# Altium PCB PCB1.PcbDoc (part 1 of 2)
Units mil, origin at the board's own origin, x right, y up, seen from the top; angles counter-clockwise.
Board outline 5020 x 3185 mil, 4 copper layers (Top Layer, GND, VCC, Bottom Layer), stack 23.756 mil thick; 166 components, 117 nets, 555 pads, 504 vias.
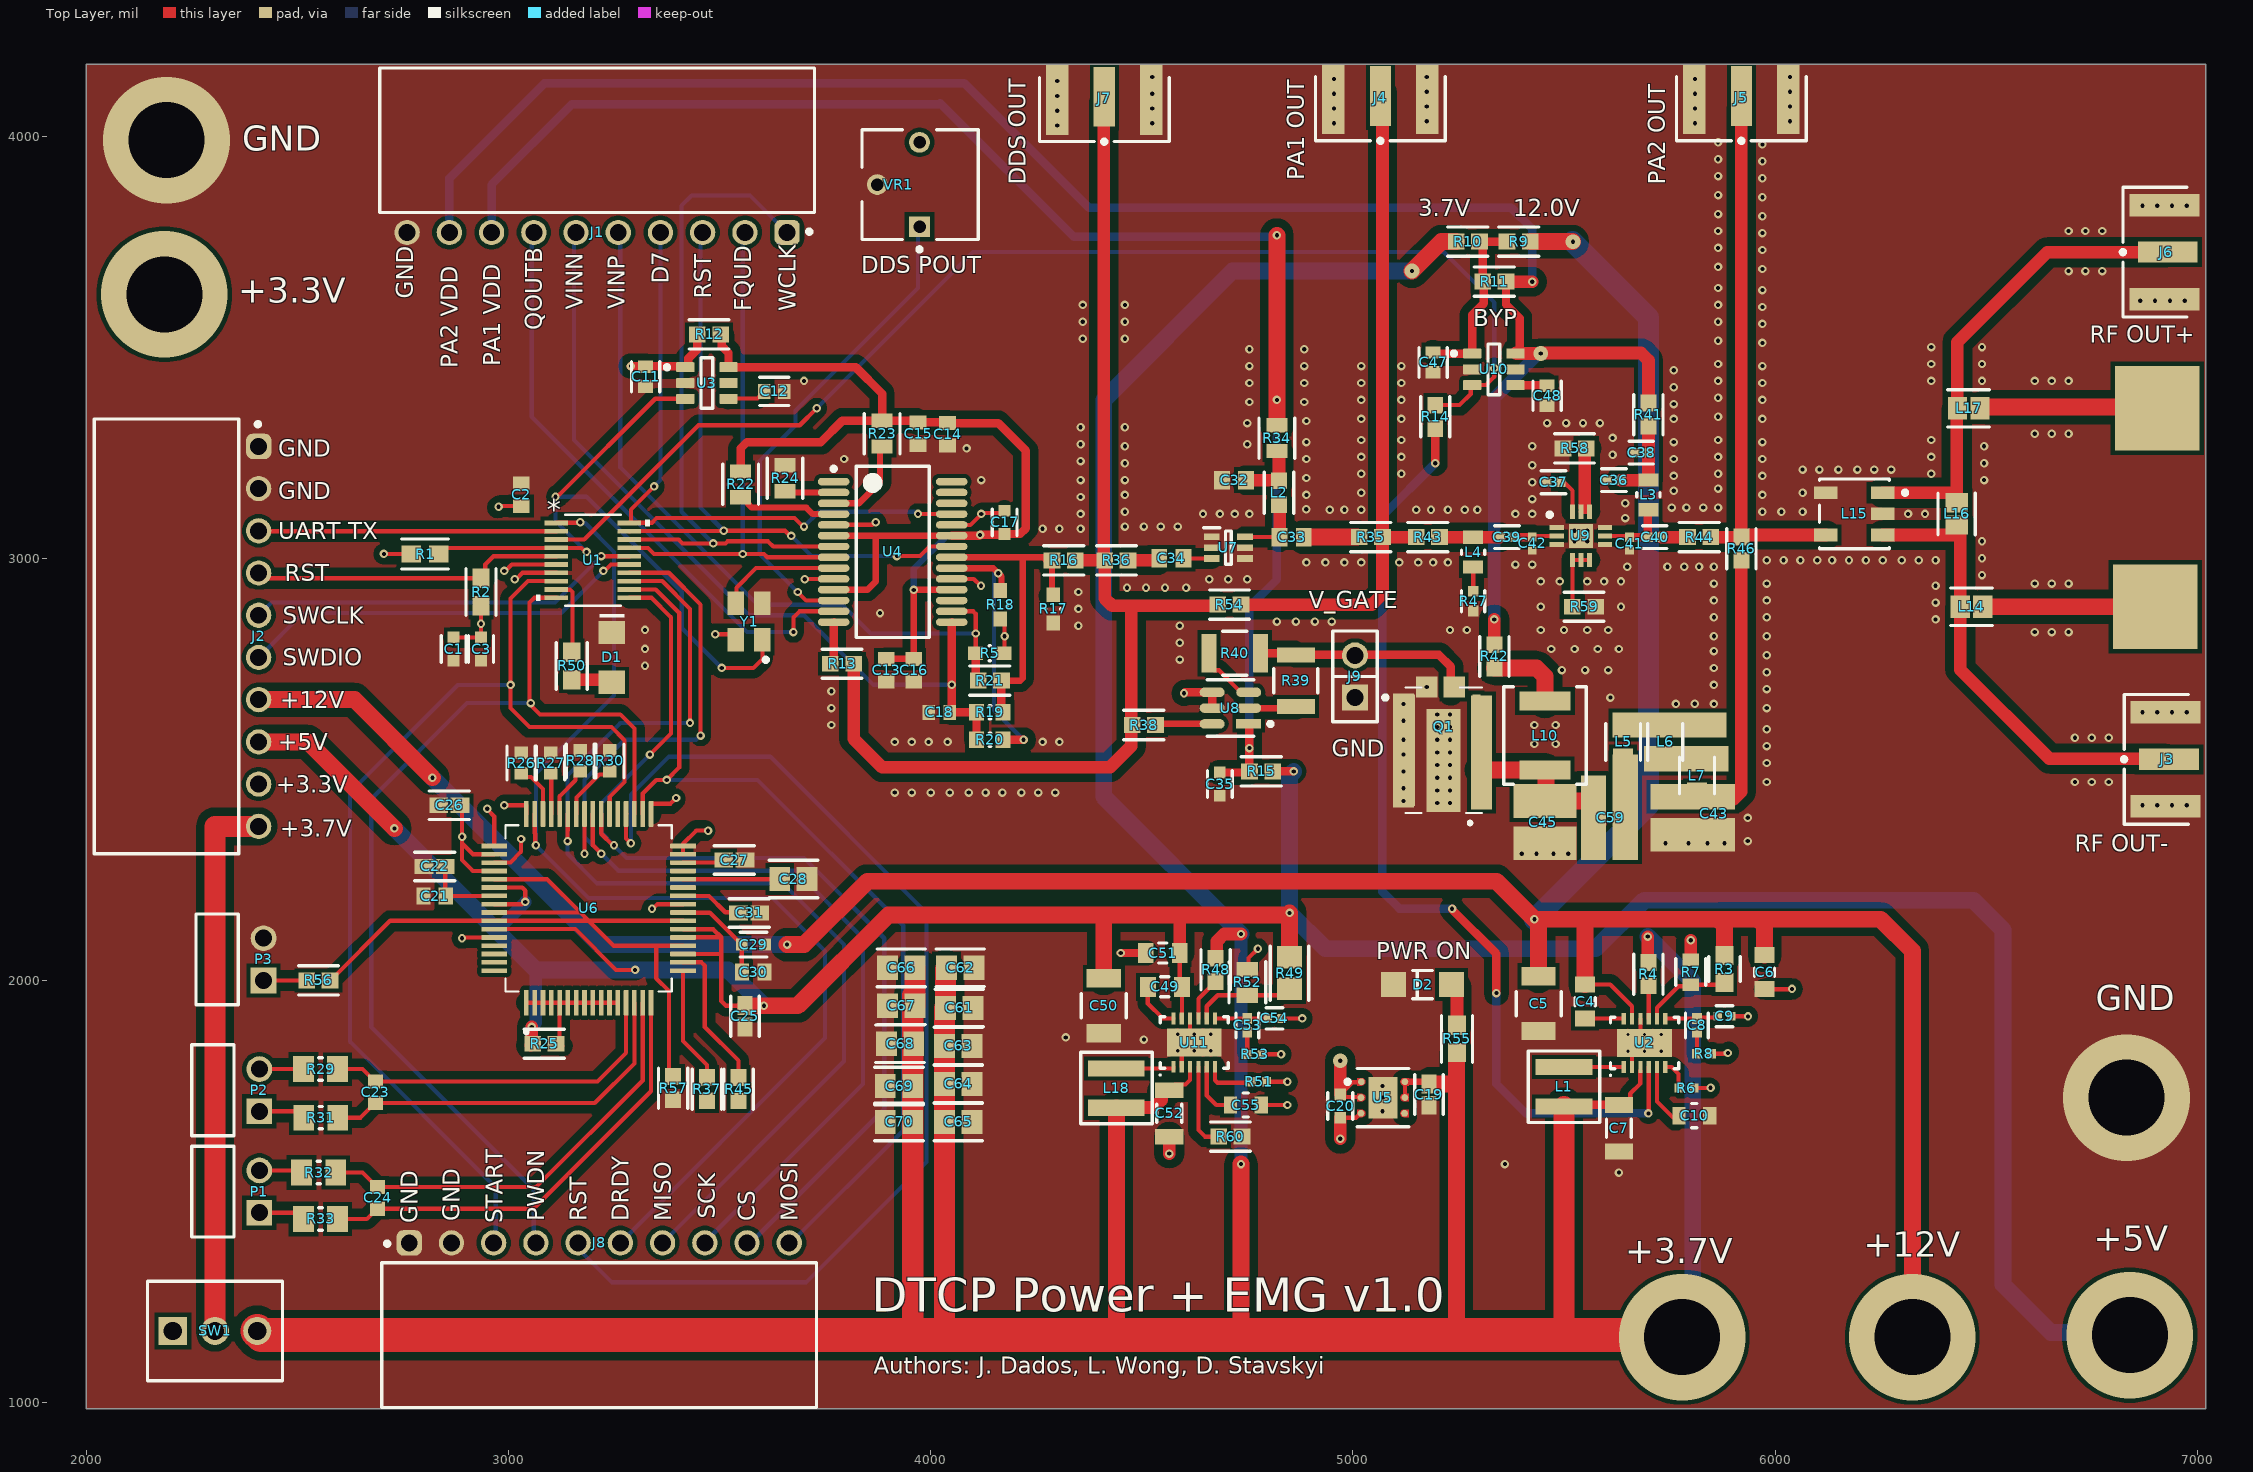
[diagram p0: Top Layer view]
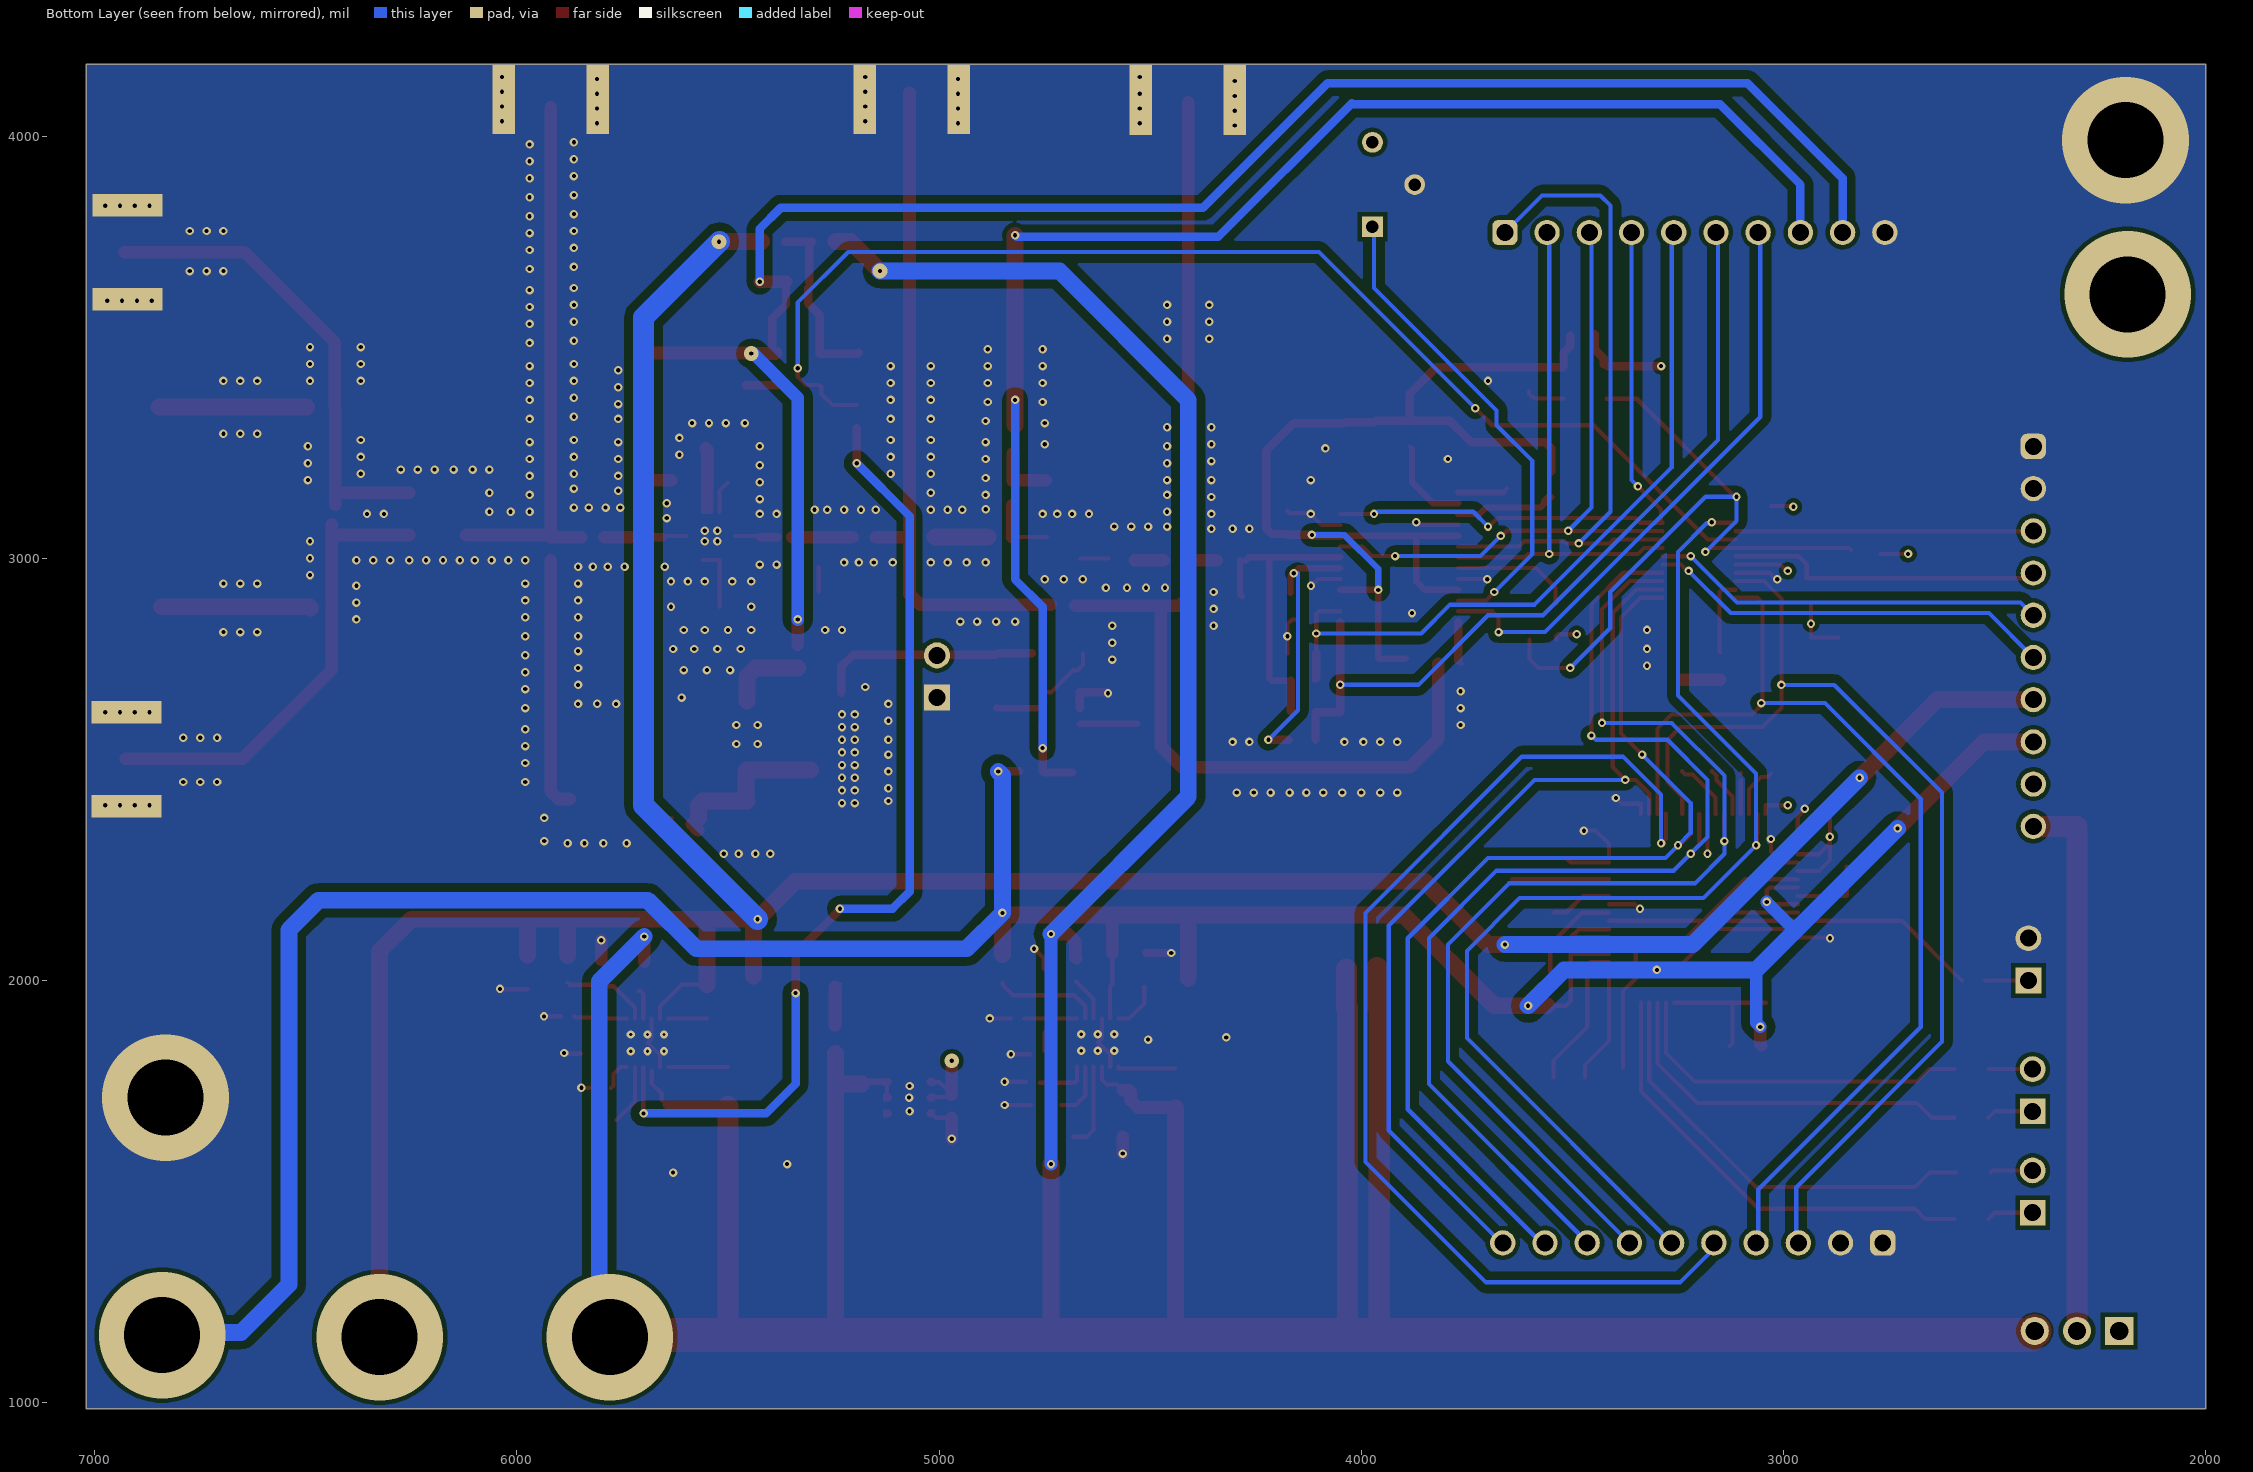
[diagram p1: Bottom Layer view, seen from below]
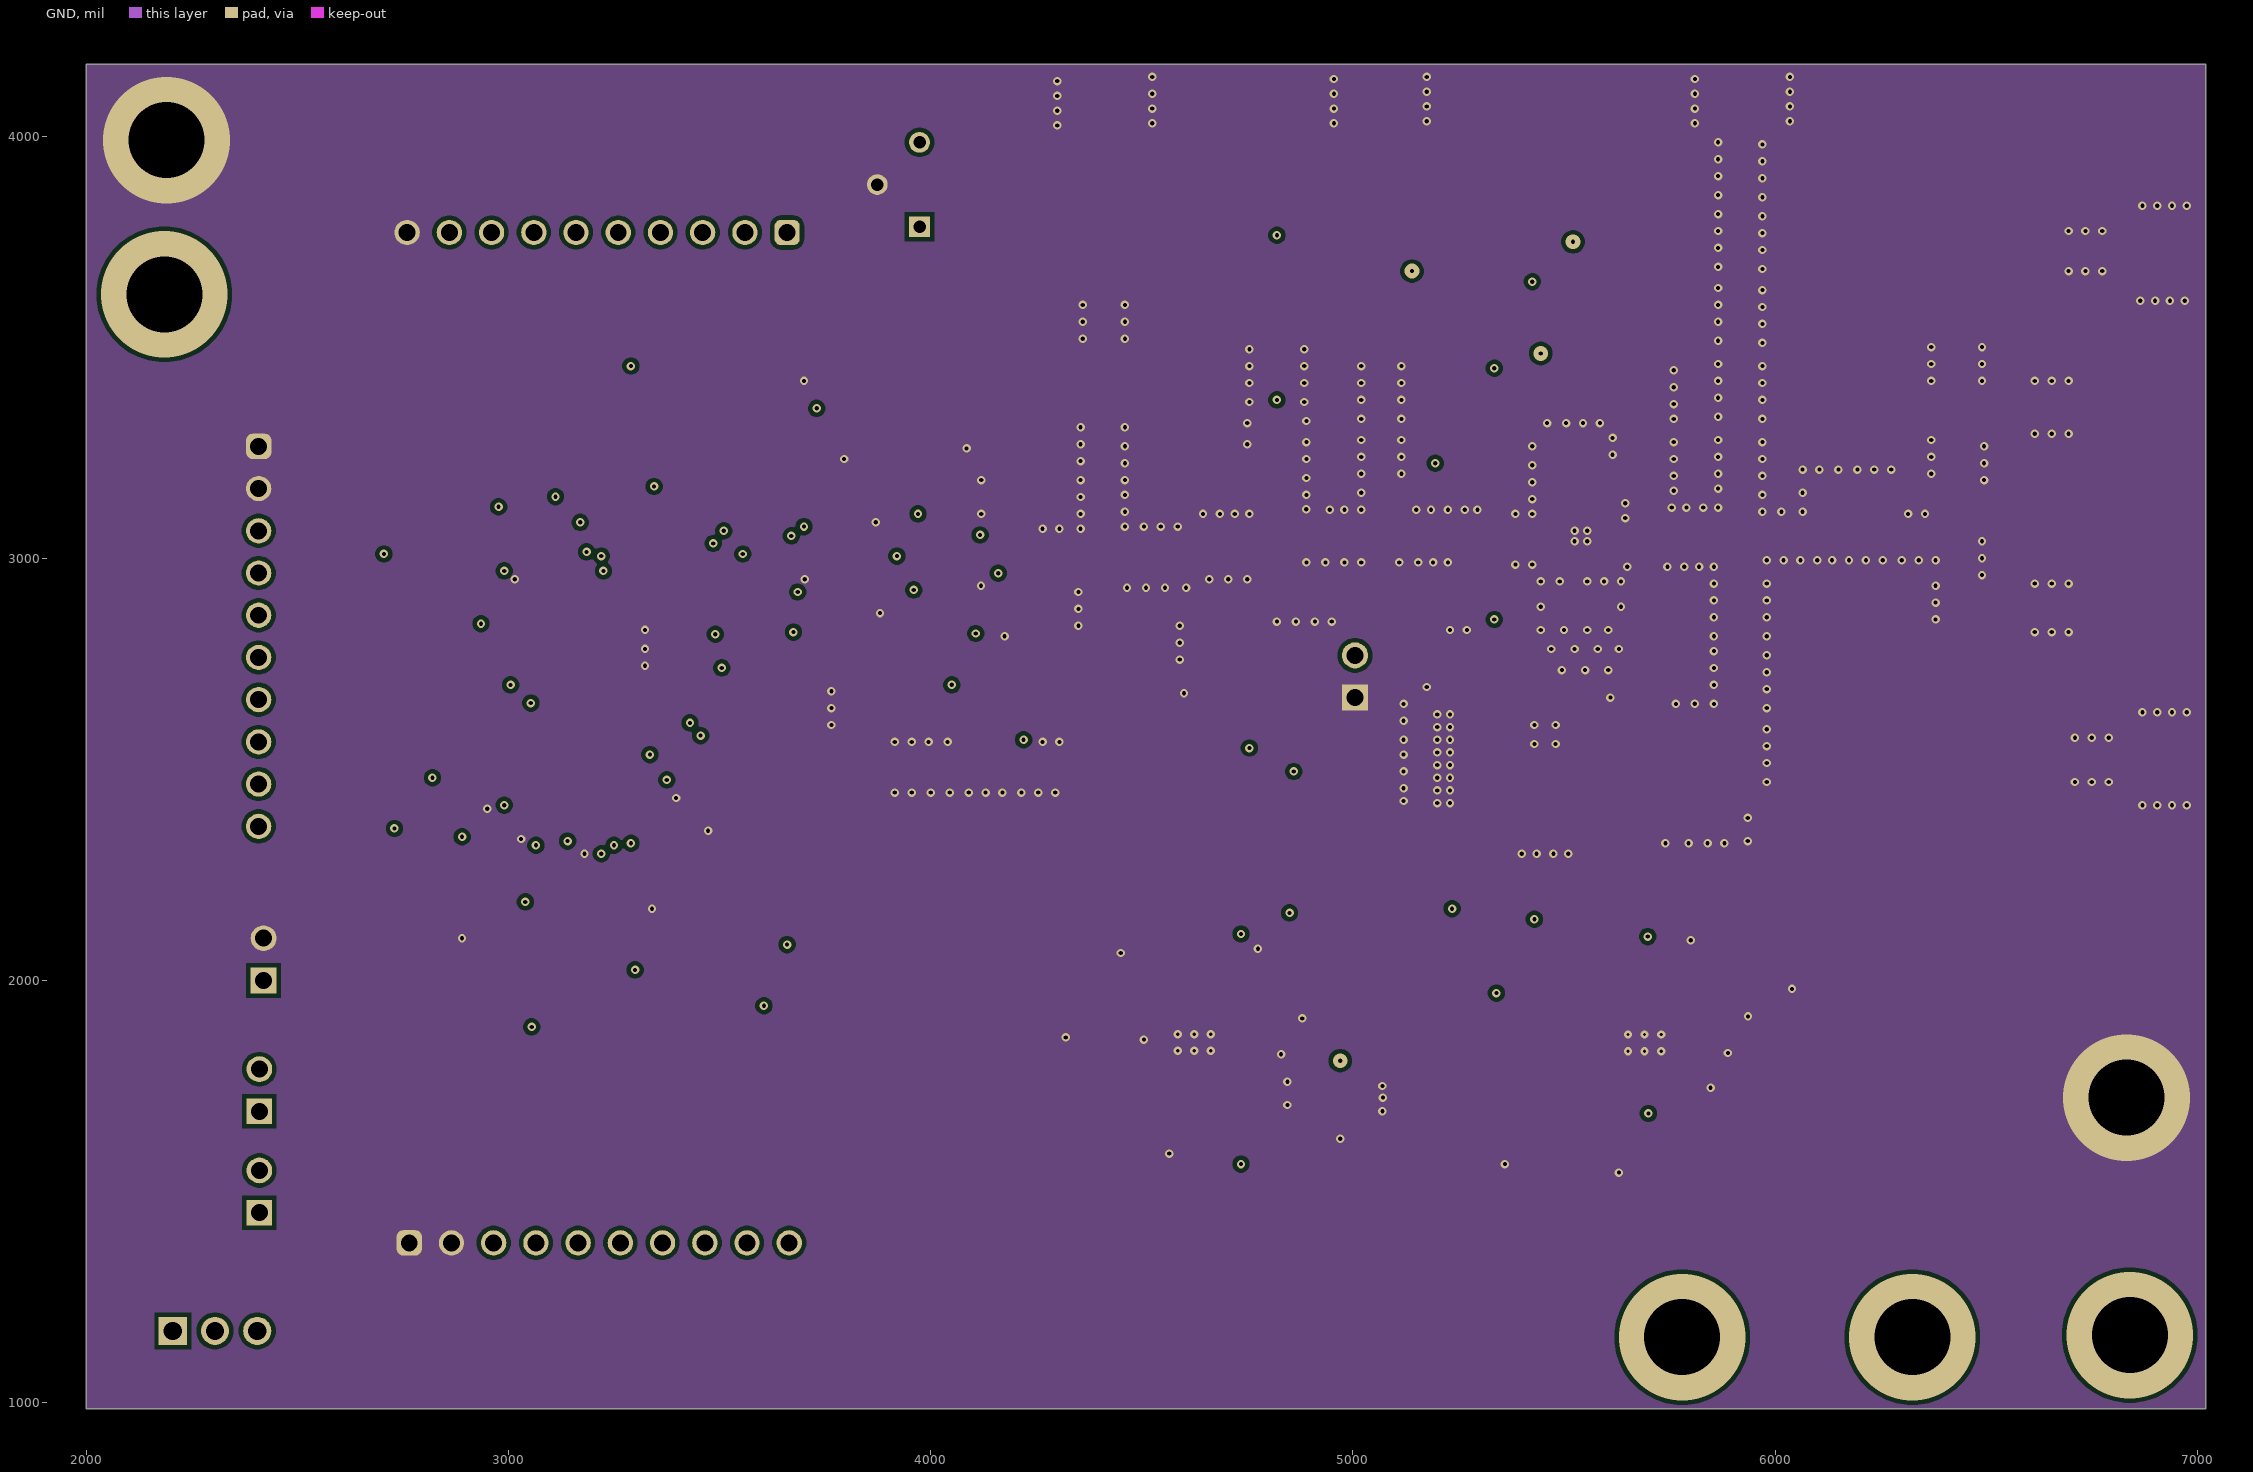
[diagram p2: GND]
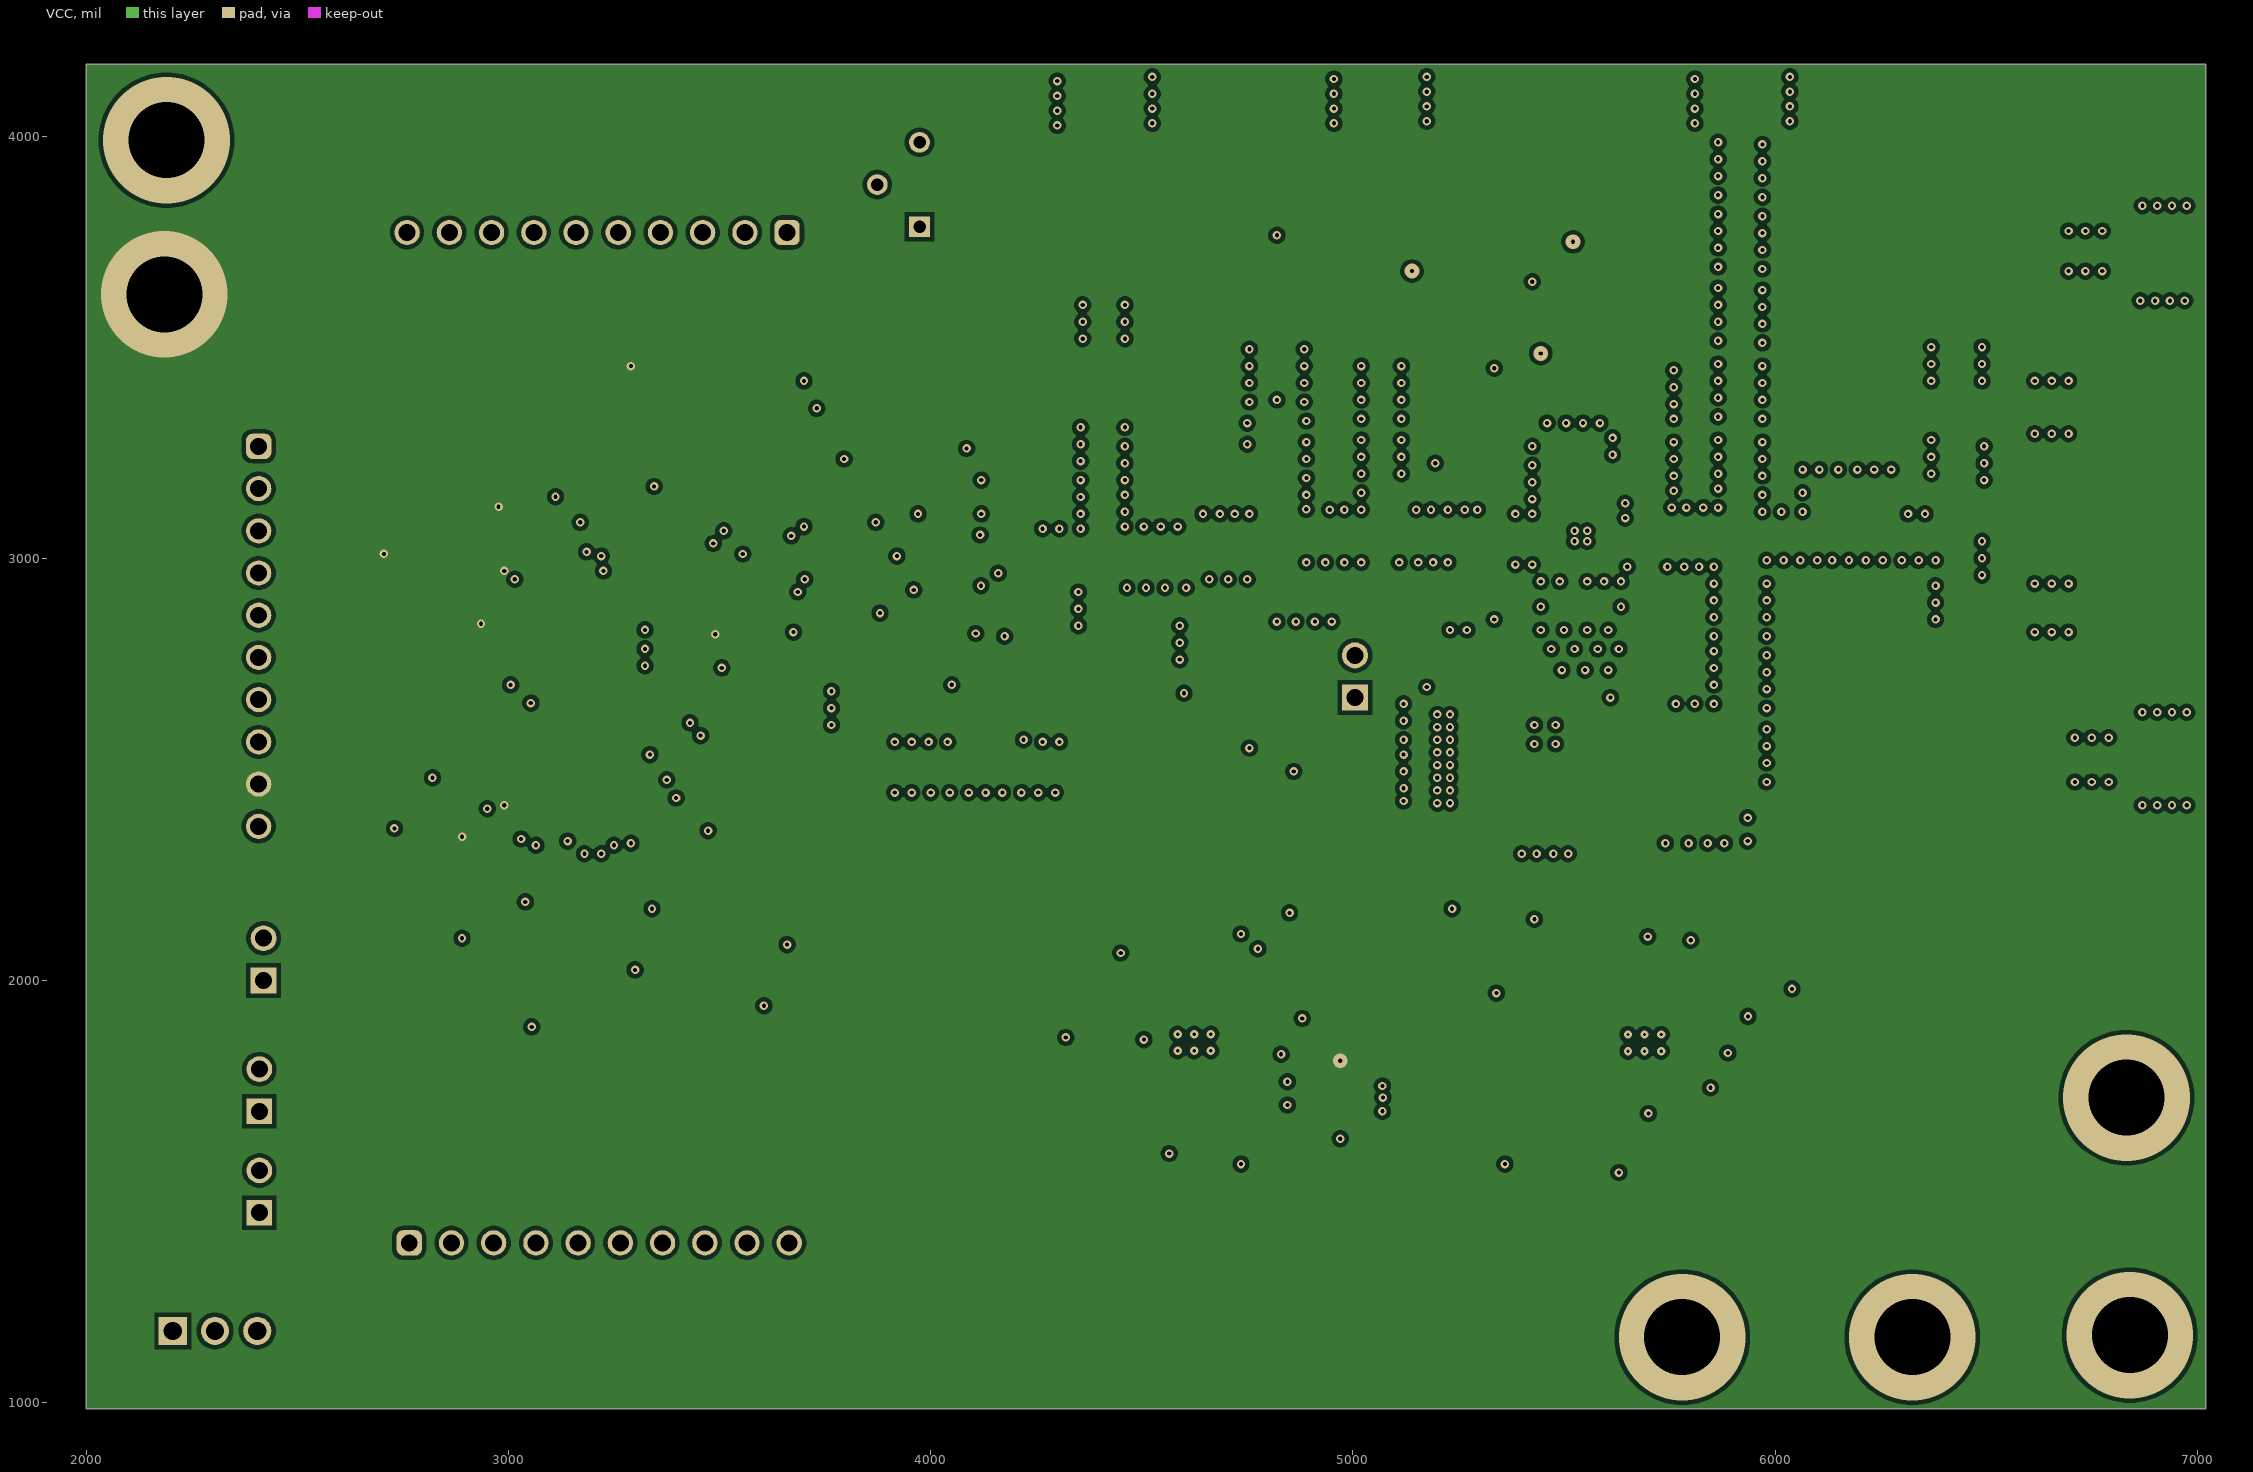
[diagram p3: VCC]
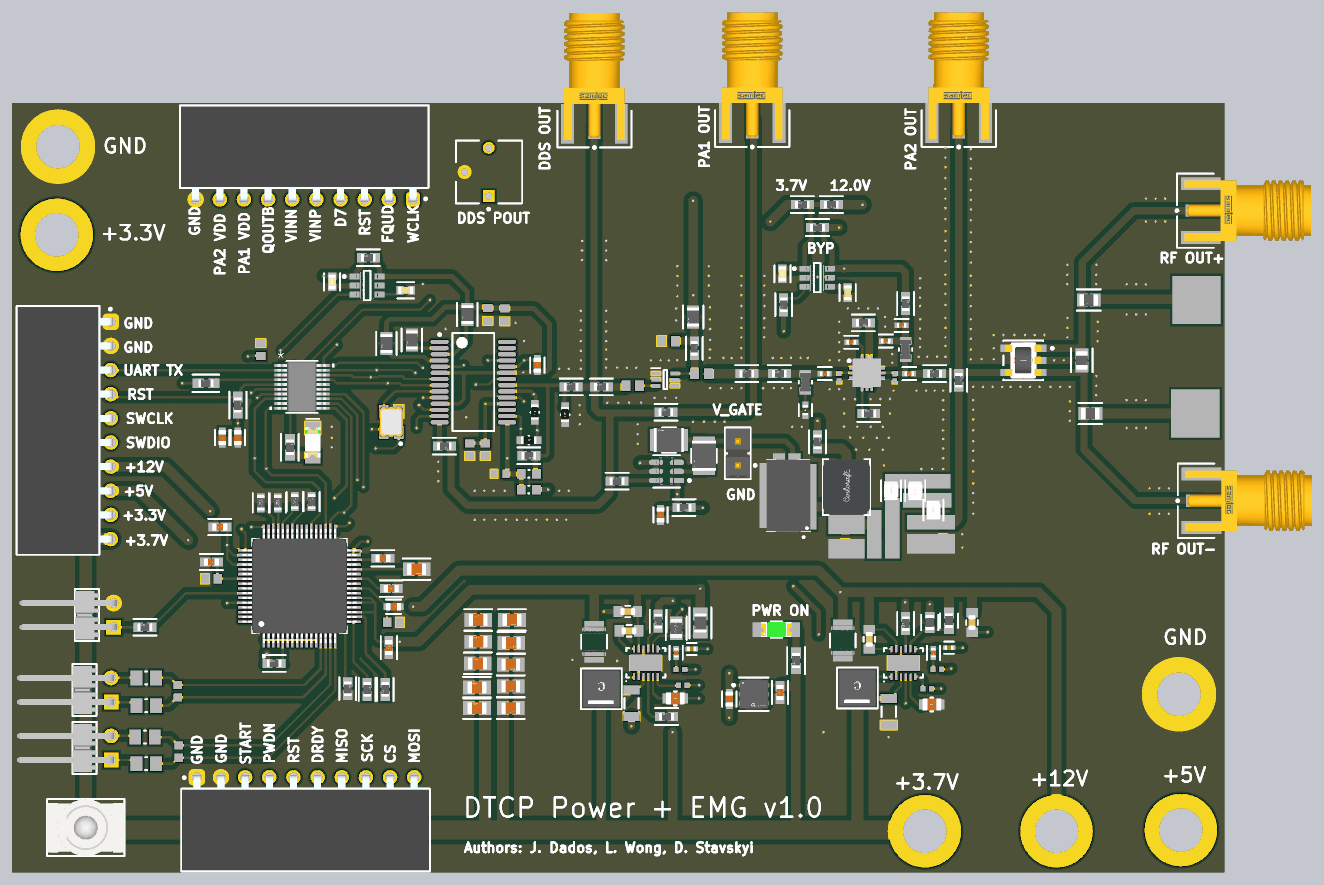
[diagram p5: 3D render of the assembled board from above, using the file's embedded part models]

## Layer stack, top to bottom
Top Solder: solder mask 0.4, Solder Resist, Dk 3.5
Top Layer: signal copper 1.4
Dielectric 2: prepreg 2.8, PP-006, Dk 4.1
GND: signal copper 1.378
Dielectric 1: dielectric 12.6, FR-4, Dk 4.8
VCC: signal copper 1.378
Dielectric 3: prepreg 2.8, PP-006, Dk 4.1
Bottom Layer: signal copper 1.4
Bottom Solder: solder mask 0.4, Solder Resist, Dk 3.5

## Board outline
2000,985 2000,4170 7020,4170 7020,985

## Design rules (kind name [scope] priority, off if disabled: settings)
Clearance [All] p1: gap=10 ignorepadtopadclearanceinfootprint=FALSE except(0: Arc-Hole Track-Hole SMDPad-Hole THPad-Hole Via-Hole Fill-Hole Poly-Hole Region-Hole Text-Hole; 2: SMDPad-SMDPad; 5: Arc-Arc Arc-Track Arc-SMDPad Track-Track Track-SMDPad; 20: Arc-Fill Arc-Poly Arc-Region Track-Fill Track-Poly Track-Region Fill-Fill Fill-Poly Fill-Region Poly-Poly Poly-Region Region-Region)
PlaneClearance [All] p1: clearance=40
PolygonConnect [All] p1: connectstyle=Direct reliefconductorwidth=10 reliefentries=4 polygonreliefangle="90 Angle" airgapwidth=10
RoutingVias [All] p1: holewidth=28 width=50 viastyle="Through Hole" minholewidth=28 minwidth=50 maxholewidth=28 maxwidth=50
SolderMaskExpansion [All] p1: expansion=4 istentingtop=FALSE
Width [All] p1: maxlimit=80 minlimit=10 preferedwidth=10
29 further rules are at their usual default settings.

## Classes and differential pairs
component class "U_Boost 5V": C49 C50 C51 C52 C53 C54 C55 L18 R48 R49 R51 R52 R53 R60 U11
component class U_Switch2: C47 C48 U10
component class U_Switch1: C11 C12 U3
component class "U_PA stage 2": C36 C37 C38 C39 C40 C41 C42 C43 C45 C59 L3 L4 L5 L6 L7 L10 Q1 R41 R42 R43 R44 R46 R47 R58 R59 U9
component class "U_PA stage 1": C32 C33 C34 C35 L2 R34 R35 R36 R38 R39 R40 U7 U8
component class U_Output: L14 L15 L16 L17
component class U_LDO: C19 C20 U5
component class U_DDS: C13 C14 C15 C16 C17 C18 R5 R17 R18 R19 R20 R21 R22 R23 R24 U4 VR1 Y1
component class U_AFE: C21 C22 C23 C24 C25 C26 C27 C28 C29 C30 C31 R25 R26 R27 R28 R29 R30 R31 R32 R33 R37 R45 R56 R57 U6
component class U_MCU: C1 C2 C3 D1 R1 R2 R50 U1
component class System: C61 C62 C63 C64 C65 C66 C67 C68 C69 C70 D2 J1 J2 J3 J4 J5 J6 J7 J8 J9 P1 P2 P3 R9 R10 R11 R12 R13 R15 R16 R54 R55 SW1
component class "U_Boost 12V": C4 C5 C6 C7 C8 C9 C10 L1 R3 R4 R6 R7 R8 R14 U2

## Components (designator, comment, footprint, x,y, rotation, side; value= is the part's Value field where it differs from the comment)
C1 "C1608X5R1A106K080AC" FP-C1608-080-0_1-MFG 2870,2785 r90 top
C2 "VJ0603Y104KXJAP" CAPC1608X92X38NL15T08 3030,3150 r270 top
C3 "C1608X5R1A106K080AC" FP-C1608-080-0_1-MFG 2935,2785 r90 top
C4 "CGA3E2X7R1H104K080AE" FP-CGA3E-0_3-0_1-IPC_A 5550,1950 r270 top
C5 "GRM32ER61E226KE15L" FP-GRM32-MFG 5440,1945 r270 top value=22uF
C6 "CGA3E1X7R1E105K080AC" FP-CGA3E-0_3-0_1-IPC_A 5975,2019.65 r270 top
C7 "CAP 10uF 10V 1206(3216)" CAPC1206(3216)190_L 5630,1650 r90 top value=10uF
C8 "C1005X7R1H331K050BA" FP-C1005-050-0_05-IPC_B 5815,1893.6 r270 top
C9 "C0402C100J5GACTU" FP-C0402-BB-MFG 5880,1915 r0 top value="10 pF"
C10 "C2012X5R1E475K125AB" FP-C2012-125-0_2-MFG 5808.58,1680 r0 top
C11 "C0603C106M8PACTU" FP-C0603C106M8PACTU-MFG 3325,3430 r90 top
C12 "C0603C101K4GAC7867" FP-C0603C-CF-MFG 3630,3395 r180 top value="100 pF"
C13 "VJ0603Y104KXJAP" CAPC1608X92X38NL15T08 3895,2735 r90 top
C14 "VJ0603Y104KXJAP" CAPC1608X92X38NL15T08 4040,3293.43 r90 top
C15 "VJ0603Y104KXJAP" CAPC1608X92X38NL15T08 3970,3295 r90 top
C16 "VJ0603Y104KXJAP" CAPC1608X92X38NL15T08 3960,2735 r90 top
C17 "C1608X5R1A106K080AC" FP-C1608-080-0_1-MFG 4175,3085 r270 top
C18 "VJ0603D471KXXAJ" CAPC1608X92X38LL15T08 4020.39,2635 r180 top
C19 "C1608X5R1H105K080AB" FP-C1608-080-0_1-IPC_B 5180,1729.78 r270 top
C20 "C1608X5R1A106K080AC" FP-C1608-080-0_1-MFG 4970,1702.44 r90 top
C21 "VJ0603Y104KXJAP" CAPC1608X92X38NL15T08 2825,2200 r180 top
C22 "C1608X5R1H105K080AB" FP-C1608-080-0_1-IPC_B 2825,2270 r180 top
C23 "06035C472KAZ2A" CAPC1608X90X35LL15T15 2685,1735 r270 top
C24 "06035C472KAZ2A" CAPC1608X90X35LL15T15 2690,1485 r270 top
C25 "C1608X5R1H105K080AB" FP-C1608-080-0_1-IPC_B 3560,1915.22 r270 top
C26 "C1608X5R1H105K080AB" FP-C1608-080-0_1-IPC_B 2860,2415 r180 top
C27 "C1608X5R1H105K080AB" FP-C1608-080-0_1-IPC_B 3535.22,2285 r0 top
C28 "GRM21BR60J107ME15K" FP-GRM21B-0_2-e0_2_0_7-IPC_B 3675,2240 r0 top
C29 "C1608X5R1A106K080AC" FP-C1608-080-0_1-MFG 3580,2085 r180 top
C30 "VJ0603Y104KXJAP" CAPC1608X92X38NL15T08 3580,2020 r180 top
C31 "C1608X5R1H105K080AB" FP-C1608-080-0_1-IPC_B 3570,2160 r0 top
C32 "VJ0603Y183KXAAC" CAPC1608X92X38ML15T08 4718.54,3185 r180 top
C33 "VJ0603Y183KXAAC" CAPC1608X92X38ML15T08 4855,3050 r0 top
C34 "VJ0603Y183KXAAC" CAPC1608X92X38ML15T08 4570,3000 r0 top
C35 "C1608X5R1A106K080AC" FP-C1608-080-0_1-MFG 4685,2465 r270 top
C36 "GRM155R71H104KE14D" FP-GRM155-0_05-IPC_B 5618.13,3185 r0 top
C37 "GRM155R71H104KE14D" FP-GRM155-0_05-IPC_B 5475,3180 r0 top
C38 "GRM1555C1H102JA01D" FP-GRM155-0_05-IPC_B 5683.13,3250 r0 top
C39 "GRM1555C1H102JA01D" FP-GRM155-0_05-IPC_B 5365,3050 r0 top
C40 "GRM1555C1H102JA01D" FP-GRM155-0_05-IPC_B 5715,3050 r0 top
C41 "GRM1555C1HR40WA01D" CAPC1005X55X25LL05T10 5655,3034.65 r90 top
C42 "GRM1555C1HR40WA01D" CAPC1005X55X25LL05T10 5425,3035 r90 top
C43 "VJ0603D471KXXAJ" CAPC1608X92X38LL15T08 5855,2395 r90 top
C45 "VJ0603D471KXXAJ" CAPC1608X92X38LL15T08 5450,2375 r90 top
C47 "C0603C106M8PACTU" FP-C0603C106M8PACTU-MFG 5190,3463.62 r90 top
C48 "C0603C101K4GAC7867" FP-C0603C-CF-MFG 5460,3385 r90 top value="100 pF"
C49 "CGA3E2X7R1H104K080AE" FP-CGA3E-0_3-0_1-IPC_A 4554.65,1985 r180 top
C50 "GRM32ER61E226KE15L" FP-GRM32-MFG 4410,1940 r270 top value=22uF
C51 "CGA3E1X7R1E105K080AC" FP-CGA3E-0_3-0_1-IPC_A 4549.65,2065 r180 top
C52 "CAP 10uF 10V 1206(3216)" CAPC1206(3216)190_L 4565,1685 r90 top value=10uF
C53 "C1005X7R1H331K050BA" FP-C1005-050-0_05-IPC_B 4750,1893.6 r270 top
C54 "C0402C100J5GACTU" FP-C0402-BB-MFG 4814.25,1910 r0 top value="10 pF"
C55 "C2012X5R1E475K125AB" FP-C2012-125-0_2-MFG 4746.42,1705 r0 top
C59 "VJ0603D471KXXAJ" CAPC1608X92X38LL15T08 5609.61,2385 r180 top
C61 "GRM21BR60J107ME15K" FP-GRM21B-0_2-e0_2_0_7-IPC_B 4067.49,1935 r0 top
C62 "GRM21BR60J107ME15K" FP-GRM21B-0_2-e0_2_0_7-IPC_B 4070,2030 r0 top
C63 "GRM21BR60J107ME15K" FP-GRM21B-0_2-e0_2_0_7-IPC_B 4065,1845 r0 top
C64 "GRM21BR60J107ME15K" FP-GRM21B-0_2-e0_2_0_7-IPC_B 4065,1755 r0 top